# KiCad board GanJing 65 rev 2 solder-rounded.kicad_pcb (continued)
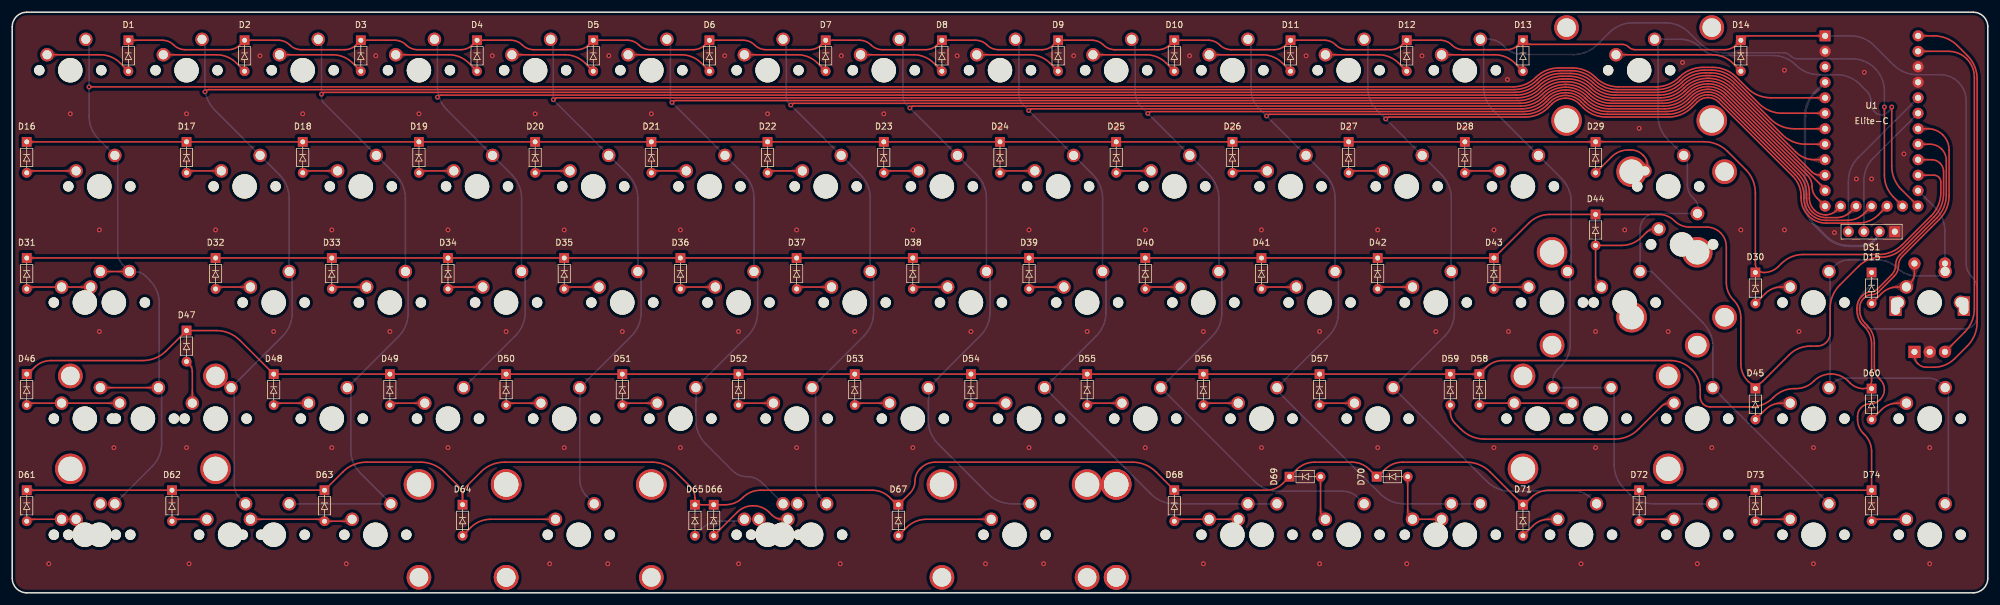
[diagram p0: board, top side]
## Copper pours and planes (outline as drawn; the poured copper is in the pictures) (continued)
row_5 on Top: 3.97,16.95 3.78,16.96 3.63,16.99 3.5,17.03 3.39,17.09 3.3,17.15 3.2,17.22 3.11,17.3 3,17.38 2.88,17.47 2.73,17.55 1.98,16.83 2.73,16.11 2.88,16.19 3,16.27 3.11,16.35 3.2,16.43 3.3,16.5 3.39,16.57 3.5,16.62 3.63,16.67 3.78,16.69 3.97,16.7
row_5 on Top: 73.69,15.63 73.69,15.54 73.67,15.47 73.65,15.4 73.62,15.35 73.59,15.29 73.55,15.25 73.51,15.21 73.47,15.18 73.44,15.15 73.4,15.13 73.82,14.05 74.23,15.13 74.2,15.15 74.16,15.18 74.12,15.21 74.09,15.25 74.05,15.29 74.02,15.35 73.99,15.4 73.96,15.47 73.95,15.54 73.94,15.63
row_5 on Top: 146.29,15.66 146.15,15.53 146.03,15.44 145.91,15.38 145.79,15.35 145.68,15.32 145.56,15.31 145.43,15.3 145.3,15.28 145.16,15.25 144.99,15.2 144.97,14.16 146.01,14.18 146.06,14.35 146.09,14.49 146.11,14.62 146.12,14.75 146.13,14.87 146.16,14.98 146.19,15.1 146.25,15.22 146.34,15.34 146.47,15.48
row_5 on Top: 224.8,20.18 224.66,20.06 224.54,19.98 224.42,19.92 224.31,19.89 224.2,19.88 224.08,19.87 223.96,19.87 223.83,19.87 223.69,19.86 223.52,19.84 223.36,18.81 224.39,18.68 224.46,18.85 224.51,18.99 224.55,19.12 224.6,19.37 224.63,19.48 224.68,19.6 224.74,19.73 224.84,19.86 224.97,20.01
row_5 on Top: 143.94,15.38 144.08,15.23 144.17,15.09 144.24,14.97 144.29,14.85 144.33,14.73 144.38,14.48 144.42,14.35 144.48,14.21 144.56,14.05 145.59,14.22 145.38,15.24 145.21,15.25 145.07,15.26 144.94,15.26 144.82,15.25 144.71,15.26 144.6,15.27 144.48,15.3 144.37,15.35 144.25,15.43 144.12,15.55
row_5 on Top: 224.8,20.18 224.66,20.06 224.54,19.98 224.42,19.92 224.31,19.89 224.2,19.88 224.08,19.87 223.96,19.87 223.83,19.87 223.69,19.86 223.52,19.84 223.36,18.81 224.39,18.68 224.46,18.85 224.51,18.99 224.55,19.12 224.6,19.37 224.63,19.48 224.68,19.6 224.74,19.73 224.84,19.86 224.97,20.01
row_5 on Top: 3.97,16.95 3.78,16.96 3.63,16.99 3.5,17.03 3.39,17.09 3.3,17.15 3.2,17.22 3.11,17.3 3,17.38 2.88,17.47 2.73,17.55 1.98,16.83 2.73,16.11 2.88,16.19 3,16.27 3.11,16.35 3.2,16.43 3.3,16.5 3.39,16.57 3.5,16.62 3.63,16.67 3.78,16.69 3.97,16.7
S2 on Top: 311.65,51.96 311.59,51.75 311.49,51.59 311.38,51.48 311.24,51.41 311.09,51.37 310.91,51.35 310.73,51.33 310.53,51.31 310.33,51.27 310.12,51.21 310.12,49.78 311.58,49.95 311.63,50.19 311.66,50.39 311.69,50.57 311.71,50.73 311.75,51.05 311.77,51.22 311.8,51.42 311.84,51.64 311.9,51.91
S2 on Top: 305.84,48.68 305.7,48.55 305.57,48.46 305.45,48.4 305.33,48.37 305.22,48.34 305.1,48.33 304.98,48.32 304.85,48.3 304.7,48.27 304.54,48.22 304.52,47.18 305.56,47.2 305.6,47.37 305.63,47.51 305.65,47.64 305.66,47.77 305.68,47.89 305.7,48 305.74,48.12 305.8,48.24 305.89,48.36 306.01,48.5
S2 on Top: 307.96,49.88 308.25,49.95 308.49,49.97 308.7,49.95 308.89,49.89 309.06,49.81 309.23,49.7 309.4,49.58 309.58,49.45 309.79,49.31 310.04,49.18 311.05,50.19 310.01,51.16 309.75,51.03 309.54,50.91 309.35,50.8 309.18,50.69 309.02,50.6 308.85,50.5 308.67,50.41 308.45,50.32 308.2,50.22 307.89,50.12
S2 on Top: 311.72,51.38 311.86,51.68 311.98,51.94 312.08,52.16 312.16,52.35 312.32,52.71 312.4,52.89 312.49,53.09 312.6,53.32 312.72,53.59 311.82,54.53 310.92,53.59 311.06,53.35 311.19,53.13 311.32,52.94 311.44,52.76 311.54,52.58 311.62,52.4 311.66,52.21 311.65,52 311.6,51.76 311.49,51.49
S2 on Top: 311.65,51.96 311.59,51.75 311.49,51.59 311.38,51.48 311.24,51.41 311.09,51.37 310.91,51.35 310.73,51.33 310.53,51.31 310.33,51.27 310.12,51.21 310.12,49.78 311.58,49.95 311.63,50.19 311.66,50.39 311.69,50.57 311.71,50.73 311.75,51.05 311.77,51.22 311.8,51.42 311.84,51.64 311.9,51.91
S2 on Top: 305.84,48.68 305.7,48.55 305.57,48.46 305.45,48.4 305.33,48.37 305.22,48.34 305.1,48.33 304.98,48.32 304.85,48.3 304.7,48.27 304.54,48.22 304.52,47.18 305.56,47.2 305.6,47.37 305.63,47.51 305.65,47.64 305.66,47.77 305.68,47.89 305.7,48 305.74,48.12 305.8,48.24 305.89,48.36 306.01,48.5
S2 on Top: 311.72,51.38 311.86,51.68 311.98,51.94 312.08,52.16 312.16,52.35 312.32,52.71 312.4,52.89 312.49,53.09 312.6,53.32 312.72,53.59 311.82,54.53 310.92,53.59 311.06,53.35 311.19,53.13 311.32,52.94 311.44,52.76 311.54,52.58 311.62,52.4 311.66,52.21 311.65,52 311.6,51.76 311.49,51.49
S2 on Top: 307.96,49.88 308.25,49.95 308.49,49.97 308.7,49.95 308.89,49.89 309.06,49.81 309.23,49.7 309.4,49.58 309.58,49.45 309.79,49.31 310.04,49.18 311.05,50.19 310.01,51.16 309.75,51.03 309.54,50.91 309.35,50.8 309.18,50.69 309.02,50.6 308.85,50.5 308.67,50.41 308.45,50.32 308.2,50.22 307.89,50.12
SCL on Bottom: 303.4,61.04 303.39,60.83 303.36,60.66 303.31,60.51 303.25,60.39 303.17,60.28 303.09,60.18 303,60.07 302.91,59.95 302.81,59.81 302.72,59.64 303.53,58.8 304.34,59.64 304.25,59.81 304.15,59.95 304.06,60.07 303.97,60.18 303.89,60.28 303.81,60.39 303.75,60.51 303.7,60.66 303.67,60.83 303.65,61.04
SCL on Bottom: 311.24,77.32 311.4,77.46 311.54,77.56 311.68,77.62 311.81,77.67 311.94,77.69 312.07,77.7 312.21,77.72 312.37,77.73 312.53,77.77 312.72,77.82 312.74,78.99 311.57,78.97 311.52,78.78 311.48,78.62 311.47,78.46 311.45,78.32 311.44,78.19 311.42,78.06 311.37,77.93 311.31,77.79 311.21,77.65 311.07,77.49
SCL on Bottom: 311.24,77.32 311.4,77.46 311.54,77.56 311.68,77.62 311.81,77.67 311.94,77.69 312.07,77.7 312.21,77.72 312.37,77.73 312.53,77.77 312.72,77.82 312.74,78.99 311.57,78.97 311.52,78.78 311.48,78.62 311.47,78.46 311.45,78.32 311.44,78.19 311.42,78.06 311.37,77.93 311.31,77.79 311.21,77.65 311.07,77.49
SCL on Bottom: 303.4,61.04 303.39,60.83 303.36,60.66 303.31,60.51 303.25,60.39 303.17,60.28 303.09,60.18 303,60.07 302.91,59.95 302.81,59.81 302.72,59.64 303.53,58.8 304.34,59.64 304.25,59.81 304.15,59.95 304.06,60.07 303.97,60.18 303.89,60.28 303.81,60.39 303.75,60.51 303.7,60.66 303.67,60.83 303.65,61.04
SDA on Bottom: 311.24,79.86 311.4,80 311.54,80.1 311.68,80.16 311.81,80.21 311.94,80.23 312.07,80.24 312.21,80.26 312.37,80.27 312.53,80.31 312.72,80.36 312.74,81.53 311.57,81.51 311.52,81.32 311.48,81.16 311.47,81 311.45,80.86 311.44,80.73 311.42,80.6 311.37,80.47 311.31,80.33 311.21,80.19 311.07,80.03
SDA on Bottom: 300.88,61.05 300.86,60.84 300.83,60.66 300.78,60.52 300.72,60.4 300.64,60.29 300.56,60.19 300.47,60.08 300.37,59.96 300.28,59.82 300.18,59.65 300.99,58.8 301.8,59.63 301.71,59.8 301.62,59.95 301.53,60.07 301.44,60.18 301.35,60.28 301.28,60.39 301.22,60.52 301.17,60.66 301.14,60.84 301.12,61.05
SDA on Bottom: 300.88,61.05 300.86,60.84 300.83,60.66 300.78,60.52 300.72,60.4 300.64,60.29 300.56,60.19 300.47,60.08 300.37,59.96 300.28,59.82 300.18,59.65 300.99,58.8 301.8,59.63 301.71,59.8 301.62,59.95 301.53,60.07 301.44,60.18 301.35,60.28 301.28,60.39 301.22,60.52 301.17,60.66 301.14,60.84 301.12,61.05
SDA on Bottom: 311.24,79.86 311.4,80 311.54,80.1 311.68,80.16 311.81,80.21 311.94,80.23 312.07,80.24 312.21,80.26 312.37,80.27 312.53,80.31 312.72,80.36 312.74,81.53 311.57,81.51 311.52,81.32 311.48,81.16 311.47,81 311.45,80.86 311.44,80.73 311.42,80.6 311.37,80.47 311.31,80.33 311.21,80.19 311.07,80.03
Net-(D1-Pad2) on Top: 17.84,86.6 17.96,86.46 18.05,86.34 18.11,86.22 18.15,86.1 18.17,85.99 18.19,85.87 18.2,85.74 18.22,85.61 18.25,85.47 18.29,85.3 19.33,85.28 19.31,86.32 19.15,86.37 19,86.4 18.87,86.42 18.75,86.43 18.63,86.44 18.52,86.47 18.4,86.5 18.28,86.56 18.15,86.65 18.01,86.78
Net-(D1-Pad2) on Top: 7.91,88.39 7.64,88.4 7.43,88.44 7.26,88.51 7.11,88.59 6.98,88.68 6.85,88.79 6.72,88.9 6.57,89.02 6.4,89.14 6.19,89.25 5.16,88.27 6.19,87.28 6.4,87.39 6.57,87.51 6.72,87.63 6.85,87.74 6.98,87.85 7.11,87.94 7.26,88.02 7.43,88.09 7.64,88.13 7.91,88.14
Net-(D1-Pad2) on Top: 17.84,86.6 17.96,86.46 18.05,86.34 18.11,86.22 18.15,86.1 18.17,85.99 18.19,85.87 18.2,85.74 18.22,85.61 18.25,85.47 18.29,85.3 19.33,85.28 19.31,86.32 19.15,86.37 19,86.4 18.87,86.42 18.75,86.43 18.63,86.44 18.52,86.47 18.4,86.5 18.28,86.56 18.15,86.65 18.01,86.78
Net-(D1-Pad2) on Top: 7.91,88.39 7.64,88.4 7.43,88.44 7.26,88.51 7.11,88.59 6.98,88.68 6.85,88.79 6.72,88.9 6.57,89.02 6.4,89.14 6.19,89.25 5.16,88.27 6.19,87.28 6.4,87.39 6.57,87.51 6.72,87.63 6.85,87.74 6.98,87.85 7.11,87.94 7.26,88.02 7.43,88.09 7.64,88.13 7.91,88.14
Net-(D2-Pad2) on Top: 36.89,86.6 37.01,86.46 37.1,86.34 37.16,86.22 37.2,86.1 37.22,85.99 37.24,85.87 37.25,85.74 37.27,85.61 37.3,85.47 37.34,85.3 38.38,85.28 38.36,86.32 38.2,86.37 38.05,86.4 37.92,86.42 37.8,86.43 37.68,86.44 37.57,86.47 37.45,86.5 37.33,86.56 37.2,86.65 37.06,86.78
Net-(D2-Pad2) on Top: 26.96,88.39 26.69,88.4 26.48,88.44 26.31,88.51 26.16,88.59 26.03,88.68 25.9,88.79 25.77,88.9 25.62,89.02 25.45,89.14 25.24,89.25 24.21,88.27 25.24,87.28 25.45,87.39 25.62,87.51 25.77,87.63 25.9,87.74 26.03,87.85 26.16,87.94 26.31,88.02 26.48,88.09 26.69,88.13 26.96,88.14
Net-(D2-Pad2) on Top: 26.96,88.39 26.69,88.4 26.48,88.44 26.31,88.51 26.16,88.59 26.03,88.68 25.9,88.79 25.77,88.9 25.62,89.02 25.45,89.14 25.24,89.25 24.21,88.27 25.24,87.28 25.45,87.39 25.62,87.51 25.77,87.63 25.9,87.74 26.03,87.85 26.16,87.94 26.31,88.02 26.48,88.09 26.69,88.13 26.96,88.14
Net-(D2-Pad2) on Top: 36.89,86.6 37.01,86.46 37.1,86.34 37.16,86.22 37.2,86.1 37.22,85.99 37.24,85.87 37.25,85.74 37.27,85.61 37.3,85.47 37.34,85.3 38.38,85.28 38.36,86.32 38.2,86.37 38.05,86.4 37.92,86.42 37.8,86.43 37.68,86.44 37.57,86.47 37.45,86.5 37.33,86.56 37.2,86.65 37.06,86.78
Net-(D3-Pad2) on Top: 46.01,88.39 45.74,88.4 45.53,88.44 45.36,88.51 45.21,88.59 45.08,88.68 44.95,88.79 44.82,88.9 44.67,89.02 44.5,89.14 44.29,89.25 43.26,88.27 44.29,87.28 44.5,87.39 44.67,87.51 44.82,87.63 44.95,87.74 45.08,87.85 45.21,87.94 45.36,88.02 45.53,88.09 45.74,88.13 46.01,88.14
Net-(D3-Pad2) on Top: 55.94,86.6 56.06,86.46 56.15,86.34 56.21,86.22 56.25,86.1 56.27,85.99 56.29,85.87 56.3,85.74 56.32,85.61 56.35,85.47 56.39,85.3 57.43,85.28 57.41,86.32 57.25,86.37 57.1,86.4 56.97,86.42 56.85,86.43 56.73,86.44 56.62,86.47 56.5,86.5 56.38,86.56 56.25,86.65 56.11,86.78
Net-(D3-Pad2) on Top: 55.94,86.6 56.06,86.46 56.15,86.34 56.21,86.22 56.25,86.1 56.27,85.99 56.29,85.87 56.3,85.74 56.32,85.61 56.35,85.47 56.39,85.3 57.43,85.28 57.41,86.32 57.25,86.37 57.1,86.4 56.97,86.42 56.85,86.43 56.73,86.44 56.62,86.47 56.5,86.5 56.38,86.56 56.25,86.65 56.11,86.78
Net-(D3-Pad2) on Top: 46.01,88.39 45.74,88.4 45.53,88.44 45.36,88.51 45.21,88.59 45.08,88.68 44.95,88.79 44.82,88.9 44.67,89.02 44.5,89.14 44.29,89.25 43.26,88.27 44.29,87.28 44.5,87.39 44.67,87.51 44.82,87.63 44.95,87.74 45.08,87.85 45.21,87.94 45.36,88.02 45.53,88.09 45.74,88.13 46.01,88.14
Net-(D4-Pad2) on Top: 74.99,86.6 75.11,86.46 75.2,86.34 75.26,86.22 75.3,86.1 75.32,85.99 75.34,85.87 75.35,85.74 75.37,85.61 75.4,85.47 75.44,85.3 76.48,85.28 76.46,86.32 76.3,86.37 76.15,86.4 76.02,86.42 75.9,86.43 75.78,86.44 75.67,86.47 75.55,86.5 75.43,86.56 75.3,86.65 75.16,86.78
Net-(D4-Pad2) on Top: 65.06,88.39 64.79,88.4 64.58,88.44 64.41,88.51 64.26,88.59 64.13,88.68 64,88.79 63.87,88.9 63.72,89.02 63.55,89.14 63.34,89.25 62.32,88.27 63.34,87.28 63.55,87.39 63.72,87.51 63.87,87.63 64,87.74 64.13,87.85 64.26,87.94 64.41,88.02 64.58,88.09 64.79,88.13 65.06,88.14
Net-(D4-Pad2) on Top: 74.99,86.6 75.11,86.46 75.2,86.34 75.26,86.22 75.3,86.1 75.32,85.99 75.34,85.87 75.35,85.74 75.37,85.61 75.4,85.47 75.44,85.3 76.48,85.28 76.46,86.32 76.3,86.37 76.15,86.4 76.02,86.42 75.9,86.43 75.78,86.44 75.67,86.47 75.55,86.5 75.43,86.56 75.3,86.65 75.16,86.78
Net-(D4-Pad2) on Top: 65.06,88.39 64.79,88.4 64.58,88.44 64.41,88.51 64.26,88.59 64.13,88.68 64,88.79 63.87,88.9 63.72,89.02 63.55,89.14 63.34,89.25 62.32,88.27 63.34,87.28 63.55,87.39 63.72,87.51 63.87,87.63 64,87.74 64.13,87.85 64.26,87.94 64.41,88.02 64.58,88.09 64.79,88.13 65.06,88.14
Net-(D5-Pad2) on Top: 84.11,88.39 83.84,88.4 83.63,88.44 83.46,88.51 83.31,88.59 83.18,88.68 83.05,88.79 82.92,88.9 82.77,89.02 82.6,89.14 82.39,89.25 81.37,88.27 82.39,87.28 82.6,87.39 82.77,87.51 82.92,87.63 83.05,87.74 83.18,87.85 83.31,87.94 83.46,88.02 83.63,88.09 83.84,88.13 84.11,88.14
Net-(D5-Pad2) on Top: 94.04,86.6 94.16,86.46 94.25,86.34 94.31,86.22 94.35,86.1 94.37,85.99 94.39,85.87 94.4,85.74 94.42,85.61 94.45,85.47 94.49,85.3 95.53,85.28 95.51,86.32 95.35,86.37 95.2,86.4 95.07,86.42 94.95,86.43 94.83,86.44 94.72,86.47 94.6,86.5 94.48,86.56 94.35,86.65 94.21,86.78
Net-(D5-Pad2) on Top: 84.11,88.39 83.84,88.4 83.63,88.44 83.46,88.51 83.31,88.59 83.18,88.68 83.05,88.79 82.92,88.9 82.77,89.02 82.6,89.14 82.39,89.25 81.37,88.27 82.39,87.28 82.6,87.39 82.77,87.51 82.92,87.63 83.05,87.74 83.18,87.85 83.31,87.94 83.46,88.02 83.63,88.09 83.84,88.13 84.11,88.14
Net-(D5-Pad2) on Top: 94.04,86.6 94.16,86.46 94.25,86.34 94.31,86.22 94.35,86.1 94.37,85.99 94.39,85.87 94.4,85.74 94.42,85.61 94.45,85.47 94.49,85.3 95.53,85.28 95.51,86.32 95.35,86.37 95.2,86.4 95.07,86.42 94.95,86.43 94.83,86.44 94.72,86.47 94.6,86.5 94.48,86.56 94.35,86.65 94.21,86.78
Net-(D6-Pad2) on Top: 103.16,88.39 102.89,88.4 102.68,88.44 102.51,88.51 102.36,88.59 102.23,88.68 102.1,88.79 101.97,88.9 101.82,89.02 101.65,89.14 101.44,89.25 100.41,88.27 101.44,87.28 101.65,87.39 101.82,87.51 101.97,87.63 102.1,87.74 102.23,87.85 102.36,87.94 102.51,88.02 102.68,88.09 102.89,88.13 103.16,88.14
Net-(D6-Pad2) on Top: 103.16,88.39 102.89,88.4 102.68,88.44 102.51,88.51 102.36,88.59 102.23,88.68 102.1,88.79 101.97,88.9 101.82,89.02 101.65,89.14 101.44,89.25 100.41,88.27 101.44,87.28 101.65,87.39 101.82,87.51 101.97,87.63 102.1,87.74 102.23,87.85 102.36,87.94 102.51,88.02 102.68,88.09 102.89,88.13 103.16,88.14
Net-(D6-Pad2) on Top: 113.09,86.6 113.21,86.46 113.3,86.34 113.36,86.22 113.4,86.1 113.42,85.99 113.44,85.87 113.45,85.74 113.47,85.61 113.5,85.47 113.54,85.3 114.58,85.28 114.56,86.32 114.4,86.37 114.25,86.4 114.12,86.42 114,86.43 113.88,86.44 113.77,86.47 113.65,86.5 113.53,86.56 113.4,86.65 113.26,86.78
Net-(D6-Pad2) on Top: 113.09,86.6 113.21,86.46 113.3,86.34 113.36,86.22 113.4,86.1 113.42,85.99 113.44,85.87 113.45,85.74 113.47,85.61 113.5,85.47 113.54,85.3 114.58,85.28 114.56,86.32 114.4,86.37 114.25,86.4 114.12,86.42 114,86.43 113.88,86.44 113.77,86.47 113.65,86.5 113.53,86.56 113.4,86.65 113.26,86.78
Net-(D7-Pad2) on Top: 122.21,88.39 121.94,88.4 121.73,88.44 121.56,88.51 121.41,88.59 121.28,88.68 121.15,88.79 121.02,88.9 120.87,89.02 120.7,89.14 120.49,89.25 119.47,88.27 120.49,87.28 120.7,87.39 120.87,87.51 121.02,87.63 121.15,87.74 121.28,87.85 121.41,87.94 121.56,88.02 121.73,88.09 121.94,88.13 122.21,88.14
Net-(D7-Pad2) on Top: 132.14,86.6 132.26,86.46 132.35,86.34 132.41,86.22 132.45,86.1 132.47,85.99 132.49,85.87 132.5,85.74 132.52,85.61 132.55,85.47 132.59,85.3 133.63,85.28 133.61,86.32 133.45,86.37 133.3,86.4 133.17,86.42 133.05,86.43 132.93,86.44 132.82,86.47 132.7,86.5 132.58,86.56 132.45,86.65 132.31,86.78
Net-(D7-Pad2) on Top: 122.21,88.39 121.94,88.4 121.73,88.44 121.56,88.51 121.41,88.59 121.28,88.68 121.15,88.79 121.02,88.9 120.87,89.02 120.7,89.14 120.49,89.25 119.47,88.27 120.49,87.28 120.7,87.39 120.87,87.51 121.02,87.63 121.15,87.74 121.28,87.85 121.41,87.94 121.56,88.02 121.73,88.09 121.94,88.13 122.21,88.14
Net-(D7-Pad2) on Top: 132.14,86.6 132.26,86.46 132.35,86.34 132.41,86.22 132.45,86.1 132.47,85.99 132.49,85.87 132.5,85.74 132.52,85.61 132.55,85.47 132.59,85.3 133.63,85.28 133.61,86.32 133.45,86.37 133.3,86.4 133.17,86.42 133.05,86.43 132.93,86.44 132.82,86.47 132.7,86.5 132.58,86.56 132.45,86.65 132.31,86.78
Net-(D8-Pad2) on Top: 141.25,88.39 140.99,88.4 140.78,88.44 140.61,88.51 140.46,88.59 140.33,88.68 140.2,88.79 140.07,88.9 139.92,89.02 139.75,89.14 139.54,89.25 138.52,88.27 139.54,87.28 139.75,87.39 139.92,87.51 140.07,87.63 140.2,87.74 140.33,87.85 140.46,87.94 140.61,88.02 140.78,88.09 140.99,88.13 141.25,88.14
Net-(D8-Pad2) on Top: 151.19,86.6 151.31,86.46 151.4,86.34 151.46,86.22 151.5,86.1 151.52,85.99 151.54,85.87 151.55,85.74 151.57,85.61 151.6,85.47 151.64,85.3 152.68,85.28 152.66,86.32 152.5,86.37 152.35,86.4 152.22,86.42 152.1,86.43 151.98,86.44 151.87,86.47 151.75,86.5 151.63,86.56 151.5,86.65 151.36,86.78
Net-(D8-Pad2) on Top: 151.19,86.6 151.31,86.46 151.4,86.34 151.46,86.22 151.5,86.1 151.52,85.99 151.54,85.87 151.55,85.74 151.57,85.61 151.6,85.47 151.64,85.3 152.68,85.28 152.66,86.32 152.5,86.37 152.35,86.4 152.22,86.42 152.1,86.43 151.98,86.44 151.87,86.47 151.75,86.5 151.63,86.56 151.5,86.65 151.36,86.78
Net-(D8-Pad2) on Top: 141.25,88.39 140.99,88.4 140.78,88.44 140.61,88.51 140.46,88.59 140.33,88.68 140.2,88.79 140.07,88.9 139.92,89.02 139.75,89.14 139.54,89.25 138.52,88.27 139.54,87.28 139.75,87.39 139.92,87.51 140.07,87.63 140.2,87.74 140.33,87.85 140.46,87.94 140.61,88.02 140.78,88.09 140.99,88.13 141.25,88.14
Net-(D9-Pad2) on Top: 160.31,88.39 160.04,88.4 159.83,88.44 159.66,88.51 159.51,88.59 159.38,88.68 159.25,88.79 159.12,88.9 158.97,89.02 158.8,89.14 158.59,89.25 157.56,88.27 158.59,87.28 158.8,87.39 158.97,87.51 159.12,87.63 159.25,87.74 159.38,87.85 159.51,87.94 159.66,88.02 159.83,88.09 160.04,88.13 160.31,88.14
Net-(D9-Pad2) on Top: 170.24,86.6 170.36,86.46 170.45,86.34 170.51,86.22 170.55,86.1 170.57,85.99 170.59,85.87 170.6,85.74 170.62,85.61 170.65,85.47 170.69,85.3 171.73,85.28 171.71,86.32 171.55,86.37 171.4,86.4 171.27,86.42 171.15,86.43 171.03,86.44 170.92,86.47 170.8,86.5 170.68,86.56 170.55,86.65 170.41,86.78
Net-(D9-Pad2) on Top: 170.24,86.6 170.36,86.46 170.45,86.34 170.51,86.22 170.55,86.1 170.57,85.99 170.59,85.87 170.6,85.74 170.62,85.61 170.65,85.47 170.69,85.3 171.73,85.28 171.71,86.32 171.55,86.37 171.4,86.4 171.27,86.42 171.15,86.43 171.03,86.44 170.92,86.47 170.8,86.5 170.68,86.56 170.55,86.65 170.41,86.78
Net-(D9-Pad2) on Top: 160.31,88.39 160.04,88.4 159.83,88.44 159.66,88.51 159.51,88.59 159.38,88.68 159.25,88.79 159.12,88.9 158.97,89.02 158.8,89.14 158.59,89.25 157.56,88.27 158.59,87.28 158.8,87.39 158.97,87.51 159.12,87.63 159.25,87.74 159.38,87.85 159.51,87.94 159.66,88.02 159.83,88.09 160.04,88.13 160.31,88.14
Net-(D10-Pad2) on Top: 179.36,88.39 179.09,88.4 178.88,88.44 178.71,88.51 178.56,88.59 178.43,88.68 178.3,88.79 178.17,88.9 178.02,89.02 177.85,89.14 177.64,89.25 176.62,88.27 177.64,87.28 177.85,87.39 178.02,87.51 178.17,87.63 178.3,87.74 178.43,87.85 178.56,87.94 178.71,88.02 178.88,88.09 179.09,88.13 179.36,88.14
Net-(D10-Pad2) on Top: 189.29,86.6 189.41,86.46 189.5,86.34 189.56,86.22 189.6,86.1 189.62,85.99 189.64,85.87 189.65,85.74 189.67,85.61 189.7,85.47 189.74,85.3 190.78,85.28 190.76,86.32 190.6,86.37 190.45,86.4 190.32,86.42 190.2,86.43 190.08,86.44 189.97,86.47 189.85,86.5 189.73,86.56 189.6,86.65 189.46,86.78
Net-(D10-Pad2) on Top: 179.36,88.39 179.09,88.4 178.88,88.44 178.71,88.51 178.56,88.59 178.43,88.68 178.3,88.79 178.17,88.9 178.02,89.02 177.85,89.14 177.64,89.25 176.62,88.27 177.64,87.28 177.85,87.39 178.02,87.51 178.17,87.63 178.3,87.74 178.43,87.85 178.56,87.94 178.71,88.02 178.88,88.09 179.09,88.13 179.36,88.14
Net-(D10-Pad2) on Top: 189.29,86.6 189.41,86.46 189.5,86.34 189.56,86.22 189.6,86.1 189.62,85.99 189.64,85.87 189.65,85.74 189.67,85.61 189.7,85.47 189.74,85.3 190.78,85.28 190.76,86.32 190.6,86.37 190.45,86.4 190.32,86.42 190.2,86.43 190.08,86.44 189.97,86.47 189.85,86.5 189.73,86.56 189.6,86.65 189.46,86.78
Net-(D11-Pad2) on Top: 198.41,88.39 198.14,88.4 197.93,88.44 197.76,88.51 197.61,88.59 197.48,88.68 197.35,88.79 197.22,88.9 197.07,89.02 196.9,89.14 196.69,89.25 195.66,88.27 196.69,87.28 196.9,87.39 197.07,87.51 197.22,87.63 197.35,87.74 197.48,87.85 197.61,87.94 197.76,88.02 197.93,88.09 198.14,88.13 198.41,88.14
Net-(D11-Pad2) on Top: 198.41,88.39 198.14,88.4 197.93,88.44 197.76,88.51 197.61,88.59 197.48,88.68 197.35,88.79 197.22,88.9 197.07,89.02 196.9,89.14 196.69,89.25 195.66,88.27 196.69,87.28 196.9,87.39 197.07,87.51 197.22,87.63 197.35,87.74 197.48,87.85 197.61,87.94 197.76,88.02 197.93,88.09 198.14,88.13 198.41,88.14
Net-(D11-Pad2) on Top: 208.34,86.6 208.46,86.46 208.55,86.34 208.61,86.22 208.65,86.1 208.67,85.99 208.69,85.87 208.7,85.74 208.72,85.61 208.75,85.47 208.79,85.3 209.83,85.28 209.81,86.32 209.65,86.37 209.5,86.4 209.37,86.42 209.25,86.43 209.13,86.44 209.02,86.47 208.9,86.5 208.78,86.56 208.65,86.65 208.51,86.78
Net-(D11-Pad2) on Top: 208.34,86.6 208.46,86.46 208.55,86.34 208.61,86.22 208.65,86.1 208.67,85.99 208.69,85.87 208.7,85.74 208.72,85.61 208.75,85.47 208.79,85.3 209.83,85.28 209.81,86.32 209.65,86.37 209.5,86.4 209.37,86.42 209.25,86.43 209.13,86.44 209.02,86.47 208.9,86.5 208.78,86.56 208.65,86.65 208.51,86.78
Net-(D12-Pad2) on Top: 217.46,88.39 217.19,88.4 216.98,88.44 216.81,88.51 216.66,88.59 216.53,88.68 216.4,88.79 216.27,88.9 216.12,89.02 215.95,89.14 215.74,89.25 214.72,88.27 215.74,87.28 215.95,87.39 216.12,87.51 216.27,87.63 216.4,87.74 216.53,87.85 216.66,87.94 216.81,88.02 216.98,88.09 217.19,88.13 217.46,88.14
Net-(D12-Pad2) on Top: 217.46,88.39 217.19,88.4 216.98,88.44 216.81,88.51 216.66,88.59 216.53,88.68 216.4,88.79 216.27,88.9 216.12,89.02 215.95,89.14 215.74,89.25 214.72,88.27 215.74,87.28 215.95,87.39 216.12,87.51 216.27,87.63 216.4,87.74 216.53,87.85 216.66,87.94 216.81,88.02 216.98,88.09 217.19,88.13 217.46,88.14
Net-(D12-Pad2) on Top: 227.39,86.6 227.51,86.46 227.6,86.34 227.66,86.22 227.7,86.1 227.72,85.99 227.74,85.87 227.75,85.74 227.77,85.61 227.8,85.47 227.84,85.3 228.88,85.28 228.86,86.32 228.7,86.37 228.55,86.4 228.42,86.42 228.3,86.43 228.18,86.44 228.07,86.47 227.95,86.5 227.83,86.56 227.7,86.65 227.56,86.78
Net-(D12-Pad2) on Top: 227.39,86.6 227.51,86.46 227.6,86.34 227.66,86.22 227.7,86.1 227.72,85.99 227.74,85.87 227.75,85.74 227.77,85.61 227.8,85.47 227.84,85.3 228.88,85.28 228.86,86.32 228.7,86.37 228.55,86.4 228.42,86.42 228.3,86.43 228.18,86.44 228.07,86.47 227.95,86.5 227.83,86.56 227.7,86.65 227.56,86.78
Net-(D13-Pad2) on Top: 246.44,86.6 246.56,86.46 246.65,86.34 246.71,86.22 246.75,86.1 246.77,85.99 246.79,85.87 246.8,85.74 246.82,85.61 246.85,85.47 246.89,85.3 247.93,85.28 247.91,86.32 247.75,86.37 247.6,86.4 247.47,86.42 247.35,86.43 247.23,86.44 247.12,86.47 247,86.5 246.88,86.56 246.75,86.65 246.61,86.78
Net-(D13-Pad2) on Top: 236.51,88.39 236.24,88.4 236.03,88.44 235.86,88.51 235.71,88.59 235.58,88.68 235.45,88.79 235.32,88.9 235.17,89.02 235,89.14 234.79,89.25 233.77,88.27 234.79,87.28 235,87.39 235.17,87.51 235.32,87.63 235.45,87.74 235.58,87.85 235.71,87.94 235.86,88.02 236.03,88.09 236.24,88.13 236.51,88.14
Net-(D13-Pad2) on Top: 236.51,88.39 236.24,88.4 236.03,88.44 235.86,88.51 235.71,88.59 235.58,88.68 235.45,88.79 235.32,88.9 235.17,89.02 235,89.14 234.79,89.25 233.77,88.27 234.79,87.28 235,87.39 235.17,87.51 235.32,87.63 235.45,87.74 235.58,87.85 235.71,87.94 235.86,88.02 236.03,88.09 236.24,88.13 236.51,88.14
Net-(D13-Pad2) on Top: 246.44,86.6 246.56,86.46 246.65,86.34 246.71,86.22 246.75,86.1 246.77,85.99 246.79,85.87 246.8,85.74 246.82,85.61 246.85,85.47 246.89,85.3 247.93,85.28 247.91,86.32 247.75,86.37 247.6,86.4 247.47,86.42 247.35,86.43 247.23,86.44 247.12,86.47 247,86.5 246.88,86.56 246.75,86.65 246.61,86.78
Net-(D14-Pad2) on Top: 282.16,86.6 282.28,86.46 282.37,86.34 282.43,86.22 282.47,86.1 282.49,85.99 282.51,85.87 282.52,85.74 282.54,85.61 282.57,85.47 282.61,85.3 283.65,85.28 283.63,86.32 283.47,86.37 283.32,86.4 283.19,86.42 283.07,86.43 282.95,86.44 282.84,86.47 282.72,86.5 282.6,86.56 282.47,86.65 282.33,86.78
Net-(D14-Pad2) on Top: 282.16,86.6 282.28,86.46 282.37,86.34 282.43,86.22 282.47,86.1 282.49,85.99 282.51,85.87 282.52,85.74 282.54,85.61 282.57,85.47 282.61,85.3 283.65,85.28 283.63,86.32 283.47,86.37 283.32,86.4 283.19,86.42 283.07,86.43 282.95,86.44 282.84,86.47 282.72,86.5 282.6,86.56 282.47,86.65 282.33,86.78
Net-(D14-Pad2) on Top: 265.08,88.39 264.82,88.4 264.61,88.44 264.43,88.51 264.28,88.59 264.15,88.68 264.03,88.79 263.9,88.9 263.75,89.02 263.58,89.14 263.37,89.25 262.34,88.27 263.37,87.28 263.58,87.39 263.75,87.51 263.9,87.63 264.03,87.74 264.15,87.85 264.28,87.94 264.43,88.02 264.61,88.09 264.82,88.13 265.08,88.14
Net-(D14-Pad2) on Top: 265.08,88.39 264.82,88.4 264.61,88.44 264.43,88.51 264.28,88.59 264.15,88.68 264.03,88.79 263.9,88.9 263.75,89.02 263.58,89.14 263.37,89.25 262.34,88.27 263.37,87.28 263.58,87.39 263.75,87.51 263.9,87.63 264.03,87.74 264.15,87.85 264.28,87.94 264.43,88.02 264.61,88.09 264.82,88.13 265.08,88.14
Net-(D16-Pad2) on Top: 8.29,69.09 8.55,69.08 8.76,69.04 8.93,68.97 9.08,68.89 9.22,68.8 9.34,68.69 9.47,68.58 9.62,68.46 9.79,68.34 10,68.22 11.03,69.22 10,70.2 9.79,70.09 9.62,69.97 9.47,69.85 9.34,69.74 9.22,69.63 9.08,69.54 8.93,69.46 8.76,69.39 8.55,69.35 8.29,69.34
Net-(D16-Pad2) on Top: 3.92,69.34 3.71,69.35 3.53,69.37 3.38,69.41 3.25,69.46 3.13,69.51 3.02,69.56 2.9,69.61 2.76,69.65 2.6,69.68 2.42,69.7 2.01,68.74 2.99,68.37 3.08,68.49 3.16,68.6 3.23,68.7 3.29,68.8 3.36,68.88 3.43,68.95 3.52,69.01 3.63,69.05 3.76,69.08 3.92,69.09
Net-(D16-Pad2) on Top: 8.29,69.09 8.55,69.08 8.76,69.04 8.93,68.97 9.08,68.89 9.22,68.8 9.34,68.69 9.47,68.58 9.62,68.46 9.79,68.34 10,68.22 11.03,69.22 10,70.2 9.79,70.09 9.62,69.97 9.47,69.85 9.34,69.74 9.22,69.63 9.08,69.54 8.93,69.46 8.76,69.39 8.55,69.35 8.29,69.34
Net-(D16-Pad2) on Top: 3.92,69.34 3.71,69.35 3.53,69.37 3.38,69.41 3.25,69.46 3.13,69.51 3.02,69.56 2.9,69.61 2.76,69.65 2.6,69.68 2.42,69.7 2.01,68.74 2.99,68.37 3.08,68.49 3.16,68.6 3.23,68.7 3.29,68.8 3.36,68.88 3.43,68.95 3.52,69.01 3.63,69.05 3.76,69.08 3.92,69.09
Net-(D17-Pad2) on Top: 30.11,69.34 29.9,69.35 29.73,69.37 29.58,69.41 29.45,69.46 29.33,69.51 29.21,69.56 29.09,69.61 28.95,69.65 28.8,69.68 28.61,69.7 28.21,68.74 29.18,68.37 29.27,68.49 29.35,68.6 29.42,68.7 29.49,68.8 29.55,68.88 29.63,68.95 29.72,69.01 29.82,69.05 29.95,69.08 30.11,69.09
Net-(D17-Pad2) on Top: 32.1,69.09 32.36,69.08 32.57,69.04 32.75,68.97 32.9,68.89 33.03,68.8 33.15,68.69 33.28,68.58 33.43,68.46 33.6,68.34 33.81,68.22 34.84,69.22 33.81,70.2 33.6,70.09 33.43,69.97 33.28,69.85 33.15,69.74 33.03,69.63 32.9,69.54 32.75,69.46 32.57,69.39 32.36,69.35 32.1,69.34
Net-(D17-Pad2) on Top: 30.11,69.34 29.9,69.35 29.73,69.37 29.58,69.41 29.45,69.46 29.33,69.51 29.21,69.56 29.09,69.61 28.95,69.65 28.8,69.68 28.61,69.7 28.21,68.74 29.18,68.37 29.27,68.49 29.35,68.6 29.42,68.7 29.49,68.8 29.55,68.88 29.63,68.95 29.72,69.01 29.82,69.05 29.95,69.08 30.11,69.09
